# Altium PCB 907 Controller.PcbDoc
Units mil, origin at the board's own origin, x right, y up, seen from the top; angles counter-clockwise.
Board outline 2086.61 x 2913.39 mil, 2 copper layers (Top Layer, Bottom Layer), stack 65.792 mil thick; 27 components, 29 nets, 116 pads, 27 vias.
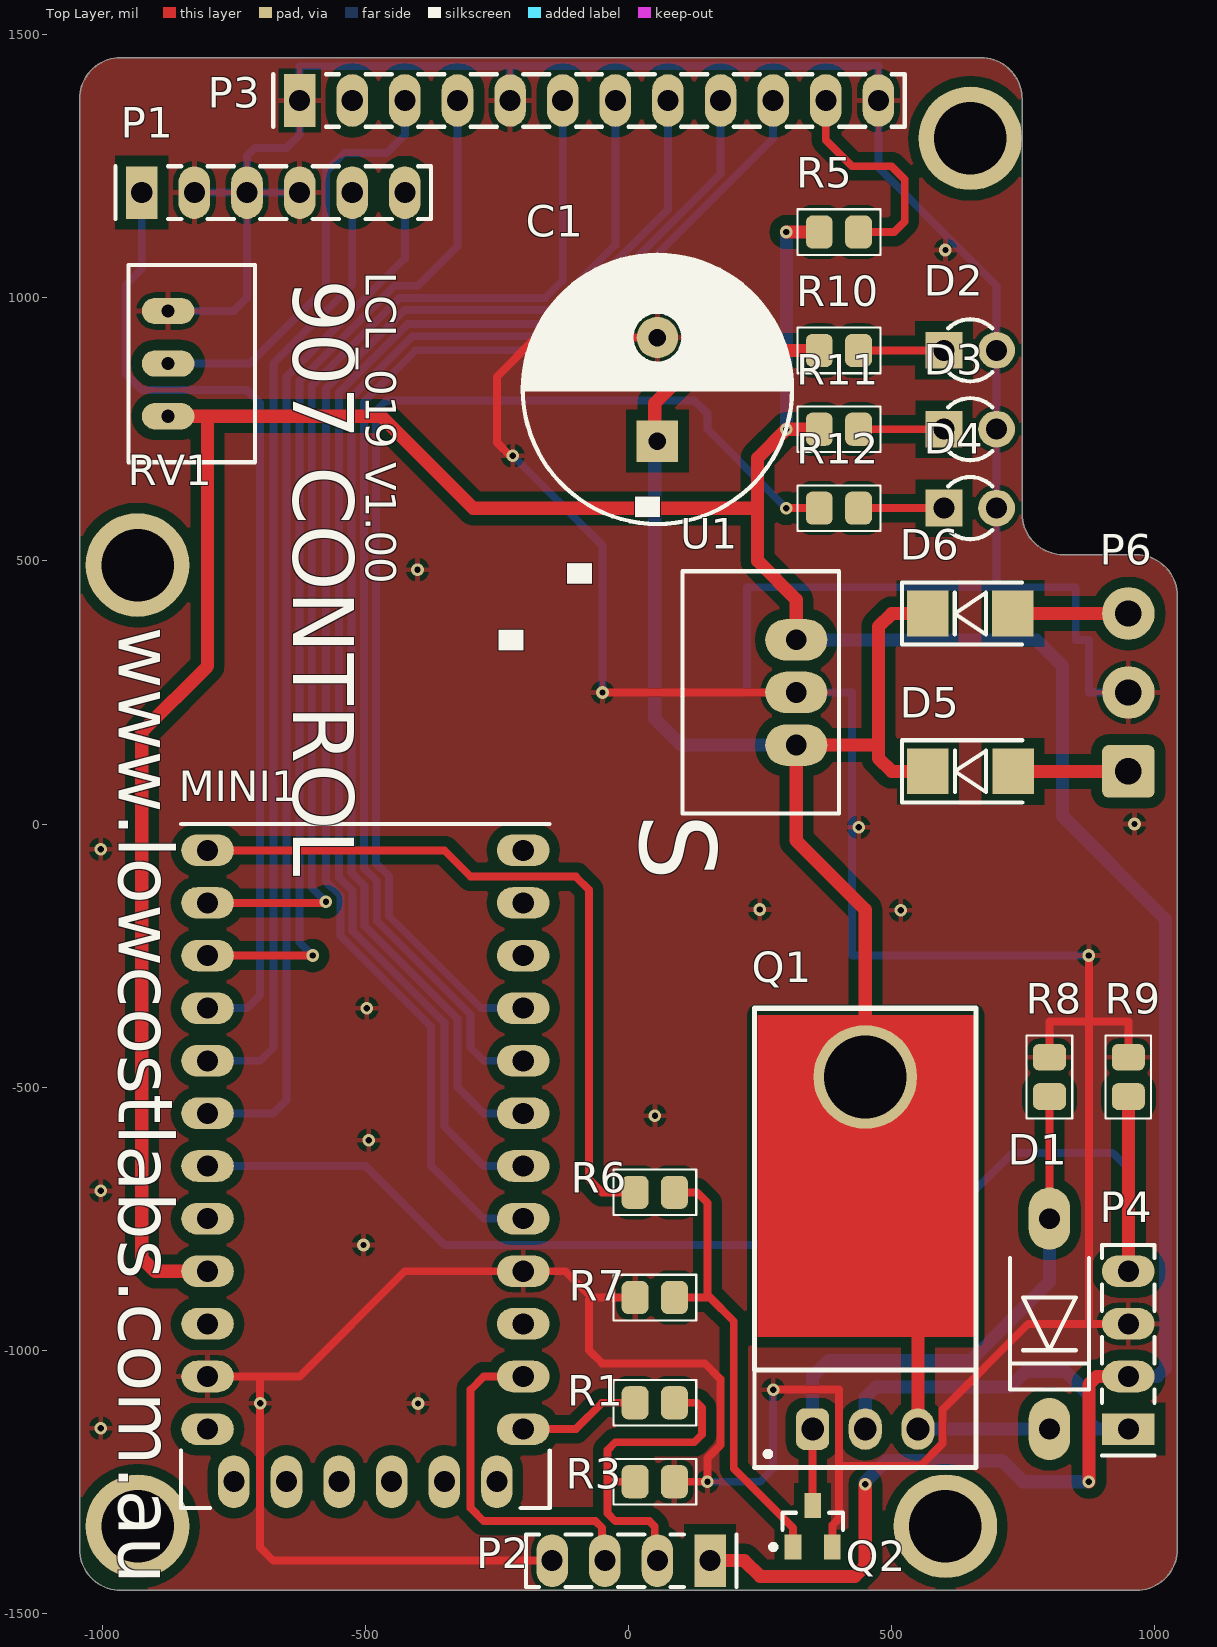
[diagram p0: Top Layer view]
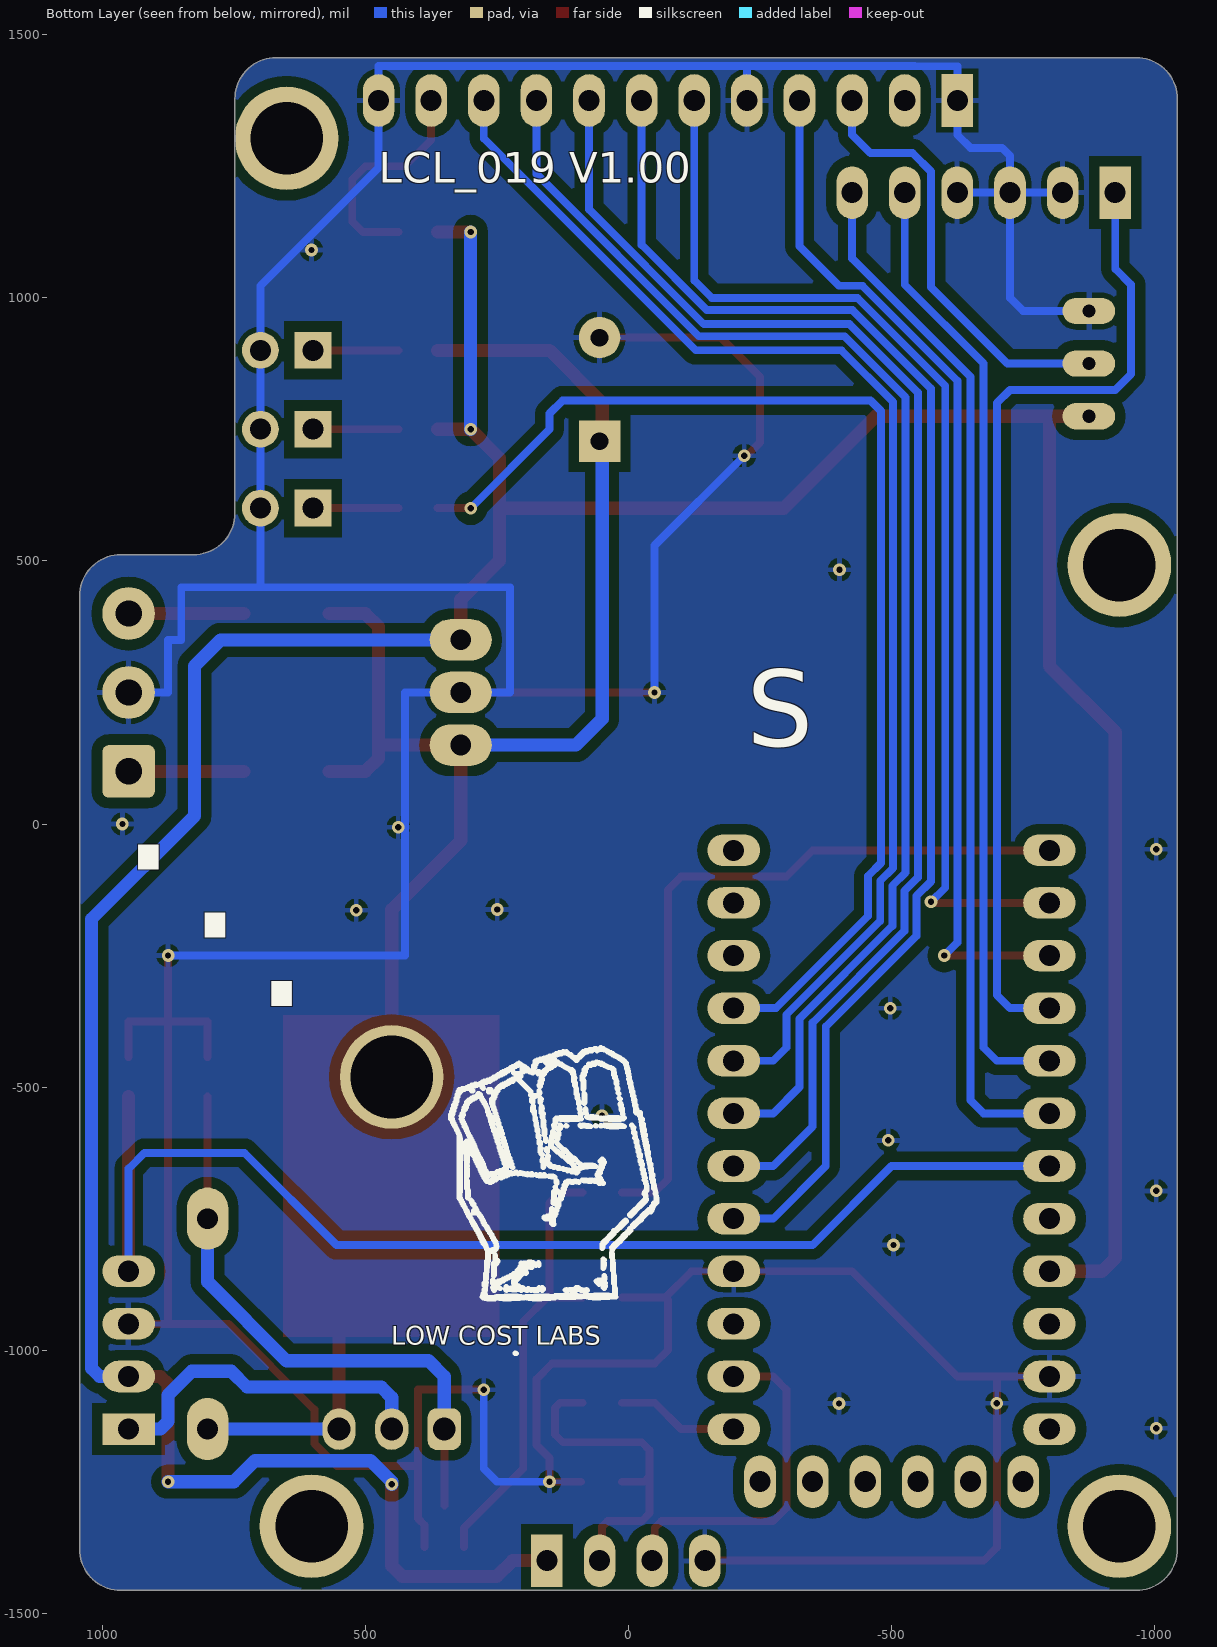
[diagram p1: Bottom Layer view, seen from below]

## Layer stack, top to bottom
Top Solder: solder mask 0.4, Solder Resist, Dk 3.5
Top Layer: signal copper 1.4
Dielectric 1: dielectric 62.9921, FR-4, Dk 4.8
Bottom Layer: signal copper 1.4
Bottom Solder: solder mask 0.4, Solder Resist, Dk 3.5

## Board outline
-1043.31,-1377.95 -1043.31,1377.95 cw(c-964.57,1377.95) -964.57,1456.69 669.29,1456.69 cw(c669.29,1377.95) 748.03,1377.95 748.03,590.55 ccw(c826.77,590.55) 826.77,511.81 964.57,511.81 cw(c964.57,433.07) 1043.31,433.07 1043.31,-1377.95 cw(c964.57,-1377.95) 964.57,-1456.69 -964.57,-1456.69 cw(c-964.57,-1377.95)

## Design rules (kind name [scope] priority, off if disabled: settings)
Clearance Poly_GND [inPolygon vs not innet (gnd)] p1: gap=20
Clearance [All] p2: gap=8
HoleSize [All] p1 off: absolutevalues=TRUE maxlimit=100 minlimit=1 maxpercent=80.000 minpercent=20.000
HoleSize Testpoint [All] p2 off: absolutevalues=TRUE maxlimit=100 minlimit=1 maxpercent=80.000 minpercent=20.000
HoleSize TestPointUsage [All] p3 off: absolutevalues=TRUE maxlimit=100 minlimit=1 maxpercent=80.000 minpercent=20.000
HoleToHoleClearance [All] p1 off: gap=10 allowstackedmicrovias=TRUE
LayerPairs [All] p1 off: enforce=TRUE
MinimumSolderMaskSliver [All] p1 off: minsoldermaskwidth=10
MinimumSolderMaskSliver SilkscreenOverComponentPads [All] p2 off: minsoldermaskwidth=10
NetAntennae [All] p1 off: netantennaetolerance=0
PolygonConnect [All] p1: connectstyle=Relief reliefconductorwidth=10 reliefentries=4 polygonreliefangle="90 Angle" airgapwidth=10
RoomDefinition "907 Controller" [InComponentClass('907 Controller')] p1: confinementstyle=ConfineIn formatcopy=TRUE lockcomponents=FALSE outline -1043.31,-1456.69 1043.31,-1456.69 1043.31,1456.69 -1043.31,1456.69
RoutingVias [All] p1: holewidth=12 width=24 viastyle="Through Hole" minholewidth=12 minwidth=24 maxholewidth=28 maxwidth=50
SilkToSilkClearance [All] p1 off: silktosilkclearance=10
SilkToSolderMaskClearance [IsPad] p1 off: minsilkscreentomaskgap=10 clearancetoexposedcopper=TRUE
SolderMaskExpansion [All] p1: expansion=4
Width Standard [All] p1: maxlimit=25 minlimit=8 preferedwidth=8
Width Power [inNet('VIN')] p2: maxlimit=100 minlimit=8 preferedwidth=25
23 further rules are at their usual default settings.

## Components (designator, comment, footprint, x,y, rotation, side; value= is the part's Value field where it differs from the comment)
C1 "10uF" "CAPACITOR 12.5X20" 55,826 r90 top
D1 "1N4733A" DO-41 800,-950 r90 top
D2 "LED (RED)" "LED(3D) 3MM VERTICAL (RED)" 649.61,900 r180 top
D3 "LED (GREEN)" "LED(3D) 3MM VERTICAL (GREEN)" 649.61,750 r180 top
D4 "LED (BLUE)" "LED(3D) 3MM VERTICAL (GREEN)" 649.61,600 r180 top
D5 "S1M" DO-214AC 650,100 r180 top
D6 "S1M" DO-214AC 649.61,400 r180 top
MINI1 "ARDUINO PRO MINI" "ARDUINO PRO MINI" -500,-600 r0 top
P1 "Header 6" "HEADER 1x6" -675,1200 r0 top
P2 "HEADER 1x4" "HEADER 1x4" 5,-1400 r180 top
P3 "Header 12" "HEADER 1x12" -75,1375 r0 top
P4 "HEADER 1x4" "HEADER 1x4" 950,-1000 r90 top
P6 "POWER" power 950,250 r90 top
Q1 "NDP6020P" "TO-220AB - RIGHT ANGLE" 450,-1150 r0 top
Q2 "MMBT3904LT1G" SOT-23 350,-1334.65 r90 top
R1 "2k2" "RESISTOR 0805" 50,-1100 r180 top
R3 "3k3" "RESISTOR 0805" 50,-1250 r0 top
R5 "150R" "RESISTOR 0805" 400,1125 r0 top
R6 "1k" "RESISTOR 0805" 50,-700 r0 top
R7 "10k" "RESISTOR 0805" 50,-900 r180 top
R8 "10k" "RESISTOR 0805" 800,-480.71 r90 top
R9 "TBA" "RESISTOR 0805" 950,-480.71 r90 top
R10 "" "RESISTOR 0805" 400,900 r0 top
R11 "" "RESISTOR 0805" 400,750.28 r0 top
R12 "" "RESISTOR 0805" 400,600.28 r0 top
RV1 "10k" TRIMPOT -825,875 r270 top
U1 "TRACO 5V" "TRACO TSR 1-2450" 250,250 r90 top

## Footprints (in the part's own frame and the unit in brackets; to place one, negate y for a bottom-side part, rotate by r counter-clockwise, add the part's x,y. Pads: shape width x height; smd on the part's side, far side on the other; paste and mask are expansions set on the pad)
"ARDUINO PRO MINI" [mil]
  oval 100x60 hole 40: 1(300,-550) 2(300,-450) 3(300,-350) 4(300,-250) 5(300,-150) 6(300,-50) 7(300,50) 8(300,150) 9(300,250) 10(300,350) 11(300,450) 12(300,550) 13(-300,550) 14(-300,450) 15(-300,350) 16(-300,250) 17(-300,150) 18(-300,50) 19(-300,-50) 20(-300,-150) 21(-300,-250) 22(-300,-350) 23(-300,-450) 24(-300,-550)
  oval 60x100 hole 40: 25(250,-650) 26(150,-650) 27(50,-650) 28(-50,-650) 29(-150,-650) 30(-250,-650)
  silkscreen extent -350,-700 350,600, body extent -355,-705 351,603, height 237
"CAPACITOR 12.5X20" [mm] "CAPACITOR ALUMINIUM ELECTROLYTIC D=12.5MM H=20MM"
  rect 2x2 hole 0.85 unplated: 1(-2.5,0)
  round 2 hole 0.85 unplated: 2(2.5,0)
  silkscreen extent -6.5,-6.5 6.5,6.5, body extent -6.5,-6.5 6.5,6.5, height 22
DO-41 [mm]
  oval 3x2 hole 1 unplated: 1(-5.08,0) 2(5.08,0)
  silkscreen extent -3.17,-1.91 3.17,1.91, body extent -5.48,-1.36 5.48,1.36, height 2.72
DO-214AC [mm]
  rect 2x2.2 smd: 1(-2.057,0) 2(2.057,0)
  silkscreen extent -2.5,-1.5 3.3,1.5, body extent -2.65,-1.4 2.65,1.4, height 2.3
"HEADER 1x4" [mil]
  rect 60x100 hole 40 unplated: 1(-150,0)
  oval 60x100 hole 40 unplated: 2(-50,0) 3(50,0) 4(150,0)
  silkscreen extent -200,-50 200,50, body extent -200,-50 200,50, height 374
"HEADER 1x6" [mil]
  rect 60x100 hole 40 unplated: 1(-250,0)
  oval 60x100 hole 40 unplated: 2(-150,0) 3(-50,0) 4(50,0) 5(150,0) 6(250,0)
  silkscreen extent -300,-50 300,50, body extent -300,-50 300,50, height 374
"HEADER 1x12" [mil]
  rect 60x100 hole 40 unplated: 1(-550,0)
  oval 60x100 hole 40 unplated: 2(-450,0) 3(-350,0) 4(-250,0) 5(-150,0) 6(-50,0) 7(50,0) 8(150,0) 9(250,0) 10(350,0) 11(450,0) 12(550,0)
  silkscreen extent -600,-50 600,50, body extent -600,-50 600,50, height 374
"LED(3D) 3MM VERTICAL (GREEN)" [mil]
  rect 70x70 hole 40: 1(50.06,-0.28)
  round 70 hole 40: 2(-49.94,-0.28)
  silkscreen extent -42,-59 42,59, body extent -65,-65 61,64, height 196
"LED(3D) 3MM VERTICAL (RED)" [mil]
  rect 70x70 hole 40: 1(50.06,-0.28)
  round 70 hole 40: 2(-49.94,-0.28)
  silkscreen extent -42,-59 42,59, body extent -66,-66 61,64, height 207
power [mil] "PinHeader 1x3 TH Pitch 2.54mm"
  rrect25% 100x100 hole 50: 1(-150,0)
  round 100 hole 50: 2(0,0) 3(150,0)
"RESISTOR 0805" [mm]
  rrect50% 1.3x1.6 smd: 1(-0.95,0) 2(0.95,0)
  silkscreen extent -2,-1.1 2,1.1, body extent -1.25,-0.62 1.25,0.62, height 0.8
SOT-23 [mm] "SOT23, 3-Leads, Body 2.92x1.3mm, Pitch 0.95mm"
  rect 1.2x0.8 smd: 1(-1,0.95) 2(-1,-0.95) 3(1,0)
  silkscreen extent -1.12,-1.46 0.65,2.02, body extent -1.42,-1.5 1.42,1.5, height 1.2
"TO-220AB - RIGHT ANGLE" [mm] "TO, Thru-Hole, Vertical, Heatsink Mounted; 3 In-Line Leads; Pitch 2.54 mm"
  rrect50% 1.6x2 hole 1.1: 1(-2.54,0)
  oval 1.6x2 hole 1.1: 2(0,0) 3(2.54,0)
  round 5 hole 4 unplated: 3(0,17)
  Top Layer region: -5.2,4.445 5.25,4.445 5.25,20 -5.2,20
  silkscreen extent -5.35,-1.85 5.35,20.32, body extent -5.25,-0.25 5.25,20, height 4.66
"TRACO TSR 1-2450" [mm]
  oval 2x3 hole 1 unplated: 1(-2.54,-1.75) 2(0,-1.75) 3(2.54,-1.75)
  silkscreen extent -5.85,-3.81 5.85,3.75, body extent -5.85,-3.8 5.85,3.75, height 10.11
TRIMPOT [mil]
  oval 50x100 hole 25 unplated: 1(-100,-50) 2(0,-50) 3(100,-50)
  silkscreen extent -188,-125 188,115, body extent -187,-125 188,115, height 456

## Part data
C1: library part "Cap Pol1", "Polarized Capacitor (Radial)"
D1: library part DO-41, "1N4733A 5V ZENER DO-41"
D2 D3 D4: library part "LED 3mm RED", "3mm RED LED"
D5 D6: library part "DIODE S1M (DO-214AC)", "DIODE, POWER"
P1: "Header, 6-Pin"
P3: "Header, 12-Pin"
P6: library part "Header 3", "Header, 3 Pin"
Q1: "Trans MOSFET P-CH 20V 24A TO-220AB NDP6020P"
Q2: library part NPN
R1 R3 R5 R6 R7 R8 R9 R10 R11 R12: library part Res2, "Resistor"
RV1: library part TRIMMER
U1: library part "TRACO 1-2450", "TRACO BUCK 1-2450 MODULE (5V)"

## Free pads (board coordinates)
  round 10 on Mech16: 1(5082.1,-3582.94) 1(5082.1,-3582.94) 1(5082.62,-3660.05) 1(5082.62,-3660.05) 1(5269.4,-3515.17) 1(5269.4,-3515.17)
  round 196.85 hole 137.8: MOUNT(-933.07,-1334.65) MOUNT(-933.07,492.13) MOUNT(602.36,-1334.65) MOUNT(649.61,1303.15)

## Via types
v1: diameter 24, hole 12, Top Layer to Bottom Layer, 27 vias

## Nets (pads, with @x,y where several pads share a name; then routed paths per layer and width w, separated by ;. In a path a pad name is that pad's centre, name@x,y a point inside that pad or via, vN(x,y) a via of type N, cw(c..) or ccw(c..) an arc to the next point about the centre after c; other vN are vias at no path point)
D4: MINI1.5 P3.7 | length 2714.2
  Bottom Layer w15: MINI1.5 -275,-750 -375,-650 -375,-385.11 -547.5,-212.61 -547.5,-136.61 -575,-109.11 -575,827.42 -425.42,977 -148.73,977 -25,1100.73 P3.7
D5: MINI1.6 P3.8 | length 2634.9
  Bottom Layer w15: MINI1.6 -275,-650 -350,-575 -350,-377.58 -524.5,-203.08 -524.5,-127.08 -550,-101.58 -550,819.89 -419.89,950 -143.2,950 75,1168.2 P3.8
D6: MINI1.7 P3.9 | length 2557
  Bottom Layer w15: MINI1.7 -275,-550 -325,-500 -325,-370.05 -501.5,-193.55 -501.5,-117.56 -526.72,-92.34 -526.72,810.65 -410.37,927 -133.68,927 175,1235.68 P3.9
D7: MINI1.8 P3.10 | length 2478.8
  Bottom Layer w15: MINI1.8 -275,-450 -300,-425 -300,-362.53 -478.5,-184.03 -478.5,-108.03 -503,-83.53 -503,801.84 -404.55,900.28 -127.87,900.28 275,1303.15 P3.10
E: MINI1.14 P3.6 | length 2120.8
  Top Layer w15: MINI1.14 -575,-150 v1(-575,-148)
  Bottom Layer w15: v1(-575,-148) -602,-121 -602,832.95 -434.95,1000 -158.26,1000 -125,1033.26 P3.6
EN1_A: MINI1.17 P1.5 | length 1822.5
  Bottom Layer w15: MINI1.17 -700,-450 -675,-425 -675,875 -525,1025 P1.5
EN1_B: MINI1.18 P1.6 | length 1978.6
  Bottom Layer w15: MINI1.18 -675,-550 -650,-525 -650,850 -425,1075 P1.6
GND: C1.2 D2.2 D3.2 D4.2 MINI1.4 MINI1.23 P1.2 P1.3 P1.4 P2.4 P3.1 P3.5 P3.12 P4.3 P6.2 Q2.2 R3.2 R7.2 R8.2 R9.2 RV1.1 U1.2 | length 11634.2
  Top Layer w15: MINI1.23 -700,-1050 ; v1(-220,700) -225,700 -250,725 -250,850 -175.57,924.43 C1.2@50,924.43 ; P2.4 -675,-1400 -700,-1375 -700,-1050 ; v1(-49.43,250) U1.2 ; R7.2 -70,-900 ; R3.2@90,-1250 v1(150,-1250) 150,-1205 175,-1180 175,-1055 145,-1025 -50,-1025 -75,-1000 -75,-905 -70,-900 ; v1(275,-1075) 400,-1075 400,-1220 ; Q2.2 387.4,-1332.6 400,-1320 400,-1220 ; R8.2 800,-375 875,-375 ; v1(875,-250) 875,-375 ; P4.3 875,-950 ; R9.2 950,-375 875,-375 ; -700,-1050 -625,-1050 -425,-850 MINI1.4 -120,-850 -70,-900 ; 400,-1220 554.34,-1220 597,-1177.34 597,-1113 760,-950 875,-950 ; 875,-950 875,-375
  Bottom Layer w15: RV1.1 -750,975 -725,1000 P1.3 ; P1.2 P1.3 ; P1.4 P1.3 ; P3.5 -225,1440 -225.5,1440.5 ; v1(-220,700) -49.43,529.43 v1(-49.43,250) ; v1(150,-1250) 250,-1250 275,-1225 v1(275,-1075) ; v1(875,-250) 425,-250 425,250 U1.2 225,250 225,450 700,450 ; P6.2 875,250 875,350 850,350 850,450 700,450 ; P1.3 -725,1270 -710,1285 -650,1285 -625,1310 P3.1 -625,1440 -544.35,1440 -543.85,1440.5 -225.5,1440.5 ; -225.5,1440.5 475,1440.5 P3.12 475,1247.36 699.55,1022.82 D2.2 D3.2 D4.2 699.55,450.45 700,450
  other v1: -1002.89,-1148.21 -700,-1100.88 -400,-1101.29 -503.57,-800 -1002.89,-697.29 -493.67,-600.98 50.25,-554.3 -497.29,-350 517.22,-164.14 249.62,-162.6 -1002.89,-47.89 437.4,-6.33 961.76,0 -400.98,483.26 602.36,1090.82
HEAT: P4.1 Q1.2 | length 655.6
  Bottom Layer w25: Q1.2 450,-1090 470,-1070 725,-1070 755,-1040 830,-1040 875,-1085 875,-1135 890,-1150 P4.1
HEATER: MINI1.13 R6.1 | length 1404
  Top Layer w15: MINI1.13 -350,-50 -300,-100 -100,-100 -75,-125 -75,-675 -50,-700 R6.1
LEDA: P3.11 R5.2 | length 431.9
  Top Layer w15: P3.11 375,1300 425,1250 500,1250 525,1225 525,1145 505,1125 R5.2
NetD1_2: D1.2 Q1.1 Q2.3 R8.1 | length 1121.7
  Top Layer w15: Q2.3 Q1.1 ; D1.2 R8.1
  Bottom Layer w25: Q1.1 350,-1050 380,-1020 650,-1020 800,-870 D1.2
NetD2_1: D2.1 R10.2 | length 161.9
  Top Layer w15: R10.2 D2.1@599.26,900
NetD3_1: D3.1 R11.2 | length 162.1
  Top Layer w15: R11.2 D3.1
NetD4_1: D4.1 R12.2 | length 162.1
  Top Layer w15: R12.2 D4.1
NetD5_1: D5.1 P6.1 | length 219
  Top Layer w25: D5.1 P6.1
NetD6_1: D6.1 P6.3 | length 219.4
  Top Layer w25: D6.1 P6.3
NetMINI1_1: MINI1.1 R1.2 | length 233.3
  Top Layer w15: MINI1.1 -100,-1150 -50,-1100 R1.2
NetMINI1_2: MINI1.2 P2.3 | length 663.3
  Top Layer w15: MINI1.2 -275,-1050 -300,-1075 -300,-1300 -275,-1325 -62.6,-1325 -50,-1337.6 P2.3@-50,-1400
NetP2_2: P2.2 R1.1 R3.1 | length 644.2
  Top Layer w15: R3.1 -35,-1250 -35,-1245 -40,-1240 ; P2.2@50,-1400 50,-1335 40,-1325 -25,-1325 -40,-1310 -40,-1240 ; R1.1 130,-1100 140,-1110 140,-1160 125,-1175 -25,-1175 -40,-1190 -40,-1240
NetQ2_1: Q2.1 R6.2 R7.1 | length 859.8
  Top Layer w15: R7.1 155,-900 ; R6.2 130,-700 150,-720 150,-895 155,-900 ; Q2.1 312.6,-1337.6 200,-1225 200,-945 155,-900
RS: MINI1.15 P3.4 | length 1985.7
  Top Layer w15: MINI1.15 v1(-600,-250)
  Bottom Layer w15: v1(-600,-250) -625,-225 -625,842.47 -444.47,1023 -400,1023 -325,1098 P3.4
SENSE: MINI1.19 P4.4 R9.1 | length 2423.9
  Top Layer w25: P4.4 R9.1
  Bottom Layer w15: MINI1.19 -500,-650 -350,-800 555,-800 730,-625 920,-625 950,-655 P4.4
STATUS: MINI1.9 R12.1 | length 2250.8
  Top Layer w15: v1(300,600.28) R12.1
  Bottom Layer w15: MINI1.9 -280,-350 -455.5,-174.5 -455.5,-98.5 -480,-74 -480,785 -460.16,804.84 125.16,804.84 150,780 150,750.28 v1(300,600.28)
SW1: MINI1.16 P1.1 | length 1870.6
  Bottom Layer w15: P1.1 -925,1055 -955,1025 -955,855 -925,825 -725,825 -700,800 -700,-325 -725,-350 MINI1.16
V+: C1.1 D1.1 D5.2 D6.2 Q1.3 R10.1 U1.1 | length 2974.1
  Top Layer w25: C1.1@50,727.57 50,800 150,900 R10.1 ; Q1.3@450,-480.71 450,-162.6 318.91,-31.5 U1.1 475,150 ; Q1.3@550,-1150 550,-969 ; D6.2 500,400 475,375 475,150 ; D5.2 500,100 475,125 475,150
  Bottom Layer w25: C1.1@50,727.57 50,200 100,150 U1.1 ; Q1.3@550,-1150 D1.1
VCC: MINI1.21 P2.1 P4.2 R5.1 R11.1 RV1.3 U1.3 | length 7152.5
  Top Layer w25: RV1.3 -800,775 ; MINI1.21 -900,-850 -925,-825 -925,175 -800,300 -800,775 ; P2.1 220,-1400 250,-1430 430,-1430 450,-1410 v1(450,-1255) ; v1(300,1125) R5.1 ; U1.3 318.91,426.37 245.28,500 245.28,600 ; R11.1 v1(300,750.28) 245.28,695.56 245.28,600 ; v1(875,-1250) 875,-1065 890,-1050 P4.2 ; -800,775 -470,775 -295,600 245.28,600
  Bottom Layer w25: v1(300,750.28) v1(300,1125) ; U1.3 775,350 825,300 825,15 1020.5,-180.5 1020.5,-1034.5 1005,-1050 P4.2 ; v1(450,-1255) 450,-1250 490,-1210 710,-1210 750,-1250 v1(875,-1250)
VDD: P3.2
VO: P3.3 RV1.2 | length 824.1
  Bottom Layer w15: RV1.2 -720,875 -575,1020 -575,1240 -540,1275 -459.95,1275 -425,1309.95 P3.3
pads on no net: MINI1.3 MINI1.10 MINI1.11 MINI1.12 MINI1.20 MINI1.22 MINI1.24 MINI1.25 MINI1.26 MINI1.27 MINI1.28 MINI1.29 MINI1.30

## Polygon pours and split planes (outlines as drawn)
GND on Bottom Layer "BOTTOM GND" (solid, pour order 3): -1043.31,-1377.95 -1043.31,1377.95 cw(c-964.57,1377.95) -964.57,1456.69 669.29,1456.69 cw(c669.29,1377.95) 748.03,1377.95 748.03,590.55 ccw(c826.77,590.55) 826.77,511.81 964.57,511.81 cw(c964.57,433.07) 1043.31,433.07 1043.31,-1377.95 cw(c964.57,-1377.95) 964.57,-1456.69 -964.57,-1456.69 cw(c-964.57,-1377.95)
GND on Top Layer "BOTTOM GND" (solid, pour order 5): -1043.31,-1377.95 -1043.31,1377.95 cw(c-964.57,1377.95) -964.57,1456.69 669.29,1456.69 cw(c669.29,1377.95) 748.03,1377.95 748.03,590.55 ccw(c826.77,590.55) 826.77,511.81 964.57,511.81 cw(c964.57,433.07) 1043.31,433.07 1043.31,-1377.95 cw(c964.57,-1377.95) 964.57,-1456.69 -964.57,-1456.69 cw(c-964.57,-1377.95)

## Silkscreen, mask and mechanical layers (free items; w line width, h text height)
Top Overlay:
  text "LCL_019 V1.00" at -518.67,1050 h100 r270
  text "907 CONTROL" at -675,1035.04 h200 r270
  text "⋱" at -325,666 h600 r270
  text "www.lowcostlabs.com.au" at -1002.89,375 h180 r270
  text "S" at -25,19.69 h250 r270
Bottom Overlay:
  drawing of 3736 lines, arcs and shapes, not listed
  text "LCL_019 V1.00" at 475,1200 h100
  text "S" at -225,100 h250
  text "⋱" at 975,-425 h600
  text "LOW COST LABS" at 451.08,-1001.18 h60
Mechanical 1:
  lines w7.87: 964.57,511.81 cw(c964.57,433.07) 1043.31,433.07 1043.31,-1377.95 cw(c964.57,-1377.95) 964.57,-1456.69 -964.57,-1456.69 cw(c-964.57,-1377.95) -1043.31,-1377.95 -1043.31,1377.95 cw(c-964.57,1377.95) -964.57,1456.69 669.29,1456.69 cw(c669.29,1377.95) 748.03,1377.95 748.03,590.55 ccw(c826.77,590.55) 826.77,511.81 964.57,511.81 ; 964.57,511.81 964.57,511.81
Mechanical 2:
  lines w7.87: -972.44,492.13 -933.07,492.13 -933.07,-1456.69 ; -972.44,492.13 -972.44,1456.69 -1043.31,1456.69 -1043.31,492.13 -972.44,492.13 ; -933.07,-1456.69 -933.07,-1334.65 -1043.31,-1334.65 -1043.31,-1456.69 -933.07,-1456.69 ; 602.36,-1456.69 1043.31,-1456.69 1043.31,-1334.65 602.36,-1334.65 602.36,-1456.69 ; 649.61,1303.15 649.61,1456.69 748.03,1456.69 748.03,1303.15 649.61,1303.15
Mechanical 32:
  drawing of 654 lines, arcs and shapes, not listed
  text "1" at -4645.67,3996.06 h100
  text "2" at -1377.95,3996.06 h100
  text "3" at 1574.8,3996.06 h100
  text "4" at 4389.76,3996.06 h100
  text "A" at -5767.72,3090.55 h100
  text "A" at 5728.35,3090.55 h100
  text "B" at -5787.4,1003.94 h100
  text "B" at 5708.66,1003.94 h100
  text "C" at -5767.72,-1122.05 h100
  text "C" at 5728.35,-1122.05 h100
  text "D" at -5767.72,-3248.03 h100
  text "D" at 5728.35,-3248.03 h100
  text "LOW COST LABS" at 2696.85,-3307.09 h100
  text "TITLE: Soldering Station" at 1377.95,-3523.62 h100
  text "ludzinc.blogspot.com.au" at 3725,-3550 h100
  text "SIZE: A4" at 1377.95,-3700.79 h100
  text "Number: LCL_019" at 2204.72,-3700.79 h100
  text "Revison 1.00" at 2992.13,-3700.79 h100
  text "www.lowcostlabs.com.au" at 3740.16,-3700.79 h100
  text "DATE:" at 1377.95,-3818.9 h100
  text ".Print_Date" at 1614.17,-3818.9 h100
  text "SHEET 1 of 1" at 2992.13,-3818.9 h100
  text "FILE:" at 1377.95,-3917.32 h100
  text ".Pcb_File_Name" at 1614.17,-3917.32 h100
  text "S" at -5649.61,-3937.01 h100
  text "1" at -4645.67,-4055.12 h100
  text "2" at -1377.95,-4055.12 h100
  text "3" at 1574.8,-4055.12 h100
  text "4" at 4389.76,-4055.12 h100